# Altium PCB AudioBoxAmpV3-3.PcbDoc (part 1 of 2) (continued)
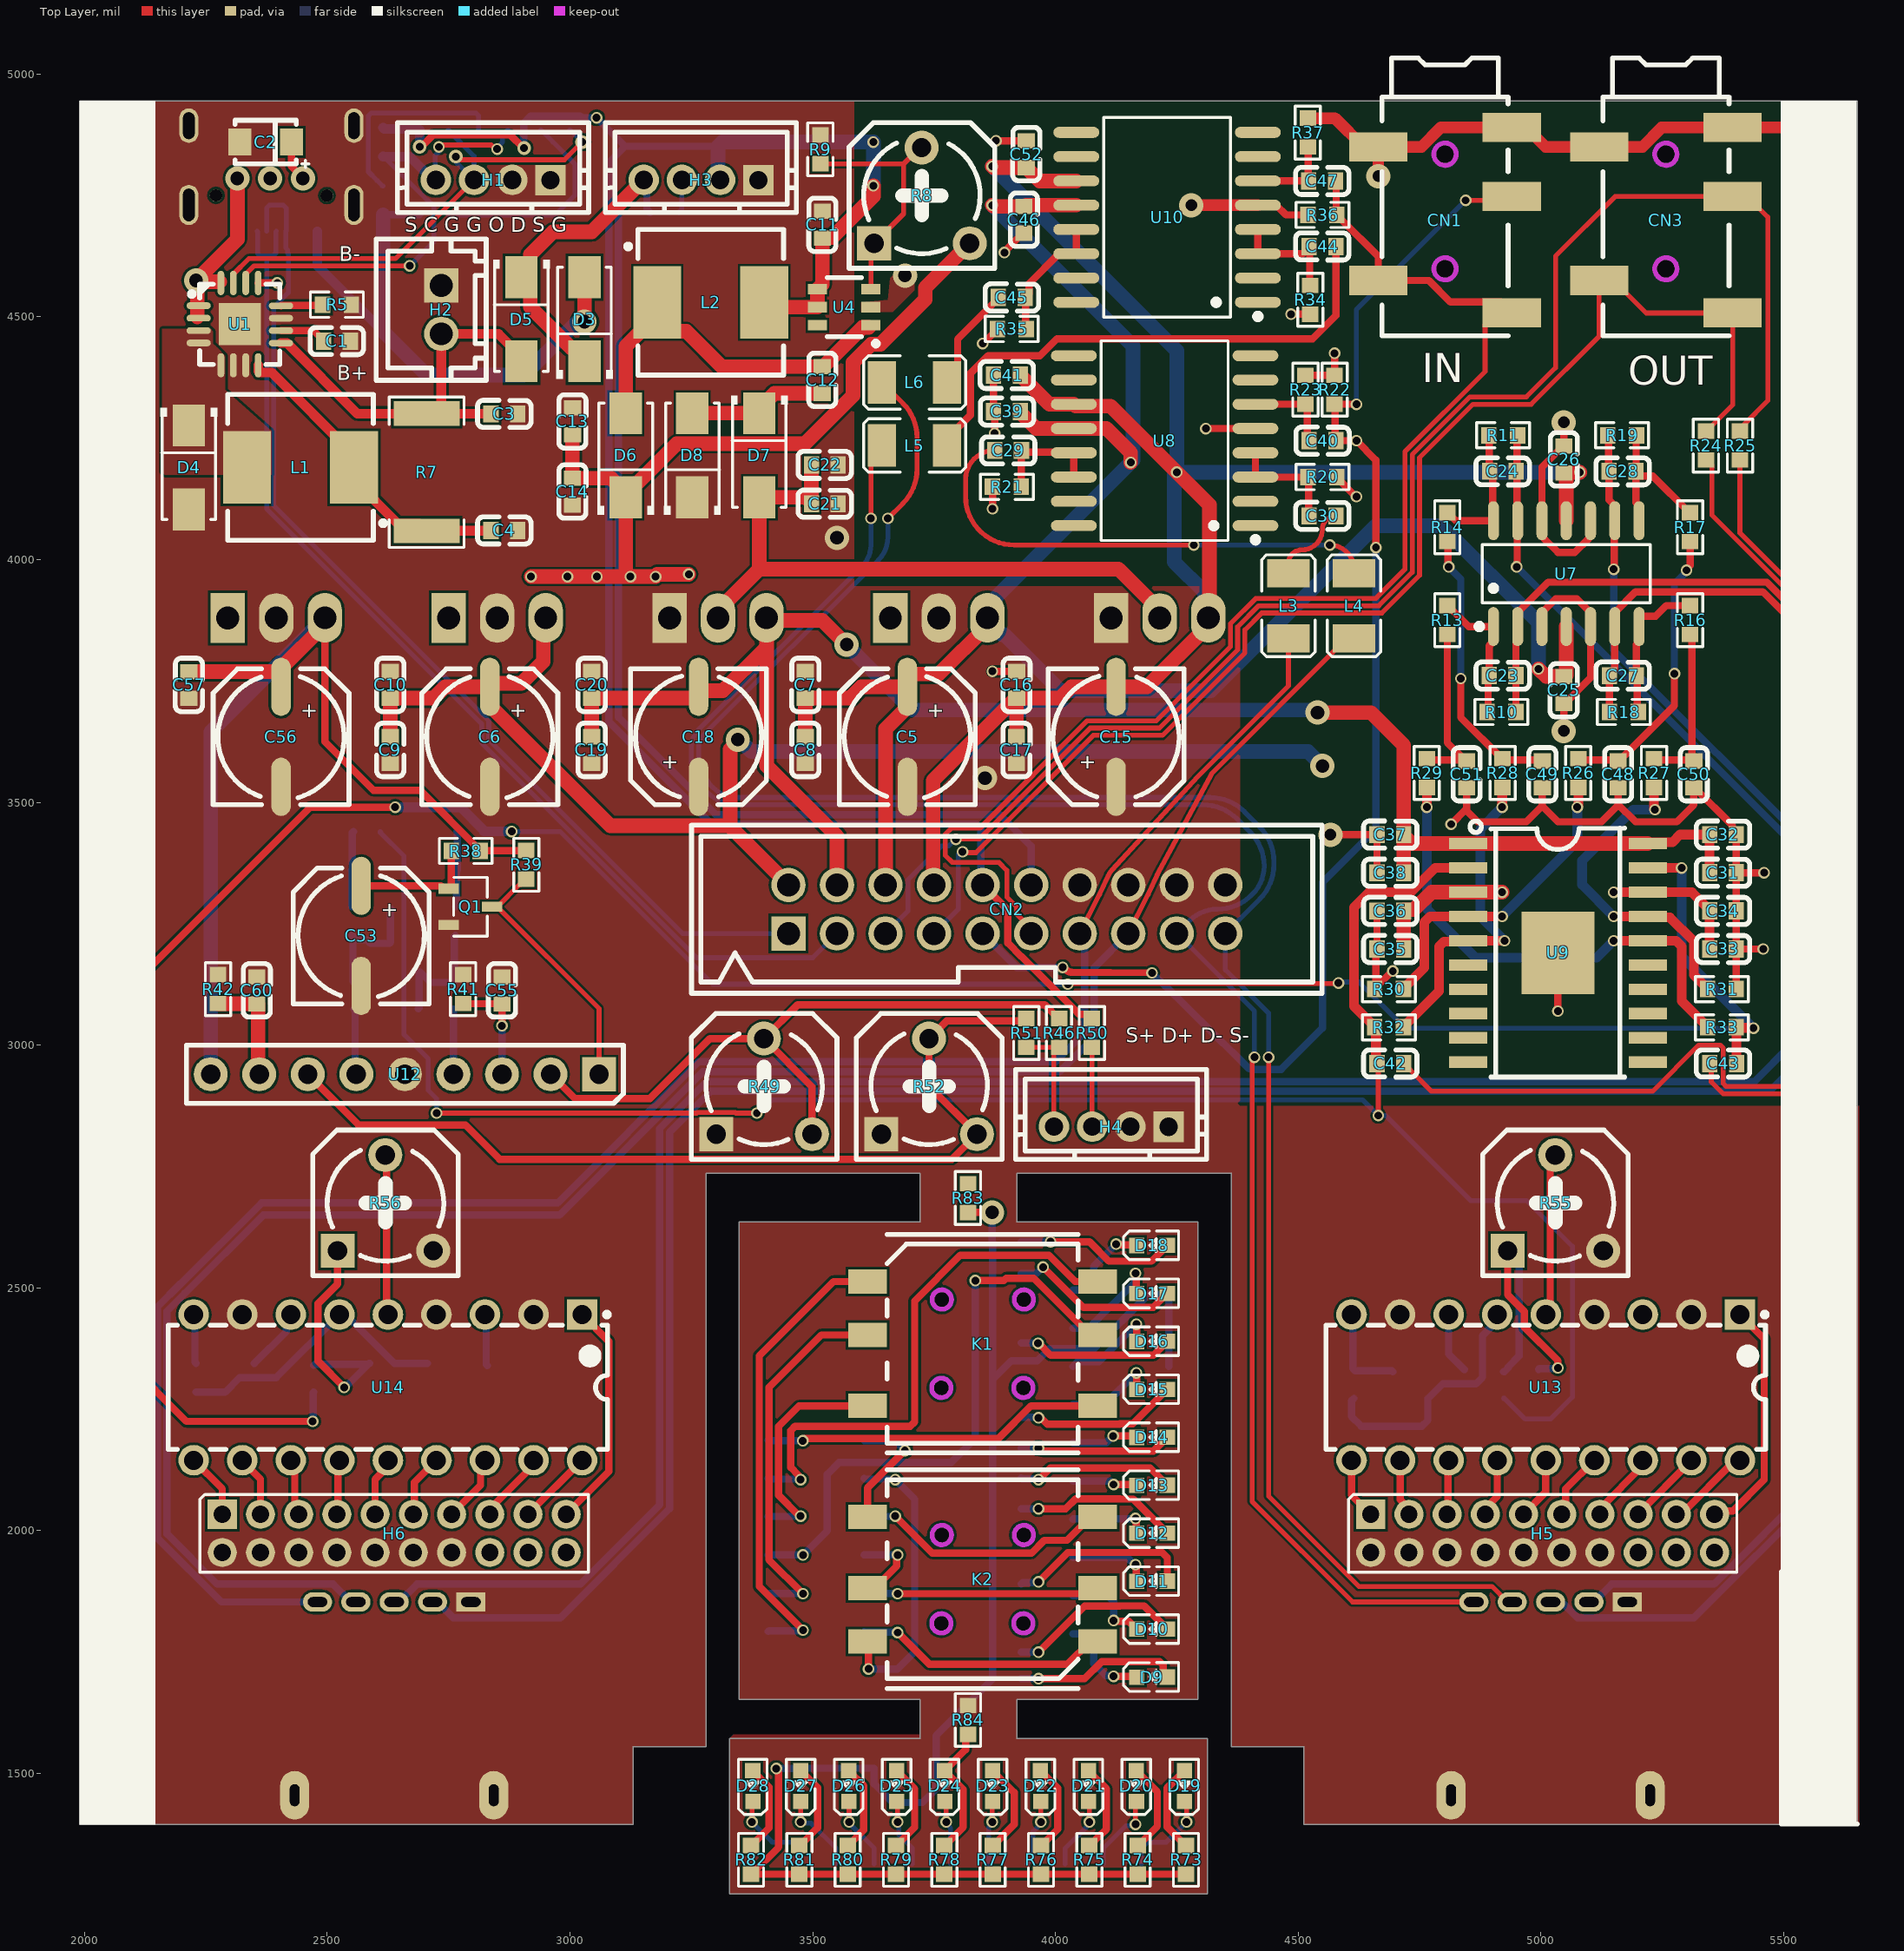
[diagram p0: Top Layer view]
## Components (designator, comment, footprint, x,y, rotation, side; value= is the part's Value field where it differs from the comment) (continued)
R78 "Reg" R0603 3771.22,1322 r270 top locked value=1K
R79 "Reg" R0603 3671.67,1322 r270 top locked value=1K
R80 "Reg" R0603 3572.12,1322 r270 top locked value=1K
R81 "Reg" R0603 3472.56,1322 r270 top locked value=1K
R82 "Reg" R0603 3373.01,1322 r270 top locked value=1K
R83 "Reg" R0603 3820,2685 r270 top value=1K
R84 "Reg" R0603 3820,1610 r270 top value=1K (schematic designator R83)
U1 "TP5000-QFN16" QFN-16_L4.0-W4.0-P0.65-BL-EP2.2 2320,4485 r270 top
U2 "LM78XX" TO-220-3_2.54_HOR 3760,3880 r0 bottom locked
U3 "LM78XX" TO-220-3_2.54_HOR 2850,3880 r0 bottom locked
U4 "SX1308" SOT-23-6 3565,4520 r0 top
U5 "LM79XX" TO-220-3_2.54_HOR 4215,3880 r0 bottom locked
U6 "LM79XX" TO-220-3_2.54_HOR 3305,3880 r0 bottom locked
U7 "OPA4134UA" SOIC-14 5052.23,3971.16 r0 top
U8 "DRV134UA" SOIC-16_9.5mm 4225,4245 r90 top
U9 "TPA6120A2DWP" HSOP-20 5035,3190 r270 top
U10 "DRV134UA" SOIC-16_9.5mm 4230,4705 r90 top
U11 "LM78XX" TO-220-3_2.54_HOR 2395,3880 r0 bottom locked
U12 "BA6138" SIP9-2.54 2660,2940 r180 top
U13 "XD3915" DIP-18 5010,2295 r180 top locked
U14 "XD3915" DIP-18 2625,2295 r180 top locked
USB1 "TYPEC-304-ACP16" USB-C-SMD_TYPE-C-16P 2385,4790 r0 bottom locked

## Footprints (in the part's own frame and the unit in brackets; to place one, negate y for a bottom-side part, rotate by r counter-clockwise, add the part's x,y. Pads: shape width x height; smd on the part's side, far side on the other; paste and mask are expansions set on the pad)
Audio3.5_3Pin [mil] "3.5mm3Pin音频接口"
  rect 60x120 smd: 1(-191,137.5) 2(191,137.5) 3(124,-137.5) 4(-49,137.5) 5(-151,-137.5)
  Keep-Out Layer board cut-out: 77,0 78.75,-8.8 83.74,-16.26 91.2,-21.25 100,-23 100,-23 108.8,-21.25 116.26,-16.26 121.25,-8.8 123,0 123,0 121.25,8.8 116.26,16.26 108.8,21.25 100,23 100,23 91.2,21.25 83.74,16.26 78.75,8.8 77,0
  Keep-Out Layer board cut-out: -136,-23 -144.8,-21.25 -152.26,-16.26 -157.25,-8.8 -159,0 -159,0 -157.25,8.8 -152.26,16.26 -144.8,21.25 -136,23 -136,23 -127.2,21.25 -119.74,16.26 -114.75,8.8 -113,0 -113,0 -114.75,-8.8 -119.74,-16.26 -127.2,-21.25 -136,-23
  Keep-Out Layer circle w10: c100,0 r23
  Keep-Out Layer circle w10: c-136,0 r23
  silkscreen extent -334,-130 238,130, body extent -389,-179 359,175, height 218
C0603 [mm]
  rect 0.8x0.9 smd: 1(-0.7,0) 2(0.7,0)
  silkscreen extent -1.41,-0.71 1.39,0.72, body extent -0.8,-0.41 0.8,0.45, height 0.89
CAP_SMD_6.3mm [mil] "SMD电容,10mm"
  oval 120x40 smd: 1(-103,0) 2(103,0)
  silkscreen extent -140,-140 140,140, body extent -137,-130 139,130, height 154
CP1206 [mm] "1206钽电容"
  rect 1.2x1.4 smd: 1(-1.305,0) 2(1.395,0)
  silkscreen extent -2.22,-1.14 1.65,1.33
DC_20P_2.54 [mm] "牛角座2.54，20P"
  rect 1.8x1.8 hole 1.2: 1(-11.43,-1.27)
  round 1.8 hole 1.2: 2(-11.43,1.27) 3(-8.89,-1.27) 4(-8.89,1.27) 5(-6.35,-1.27) 6(-6.35,1.27) 7(-3.81,-1.27) 8(-3.81,1.27) 9(-1.27,-1.27) 10(-1.27,1.27) 11(1.27,-1.27) 12(1.27,1.27) 13(3.81,-1.27) 14(3.81,1.27) 15(6.35,-1.27) 16(6.35,1.27) 17(8.89,-1.27) 18(8.89,1.27) 19(11.43,-1.27) 20(11.43,1.27)
  silkscreen extent -16.5,-4.4 16.5,4.4
DIP-18 [mm]
  rect 1.6x1.6 hole 1: 1(-10.16,-3.81)
  round 1.6 hole 1: 2(-7.62,-3.81) 3(-5.08,-3.81) 4(-2.54,-3.81) 5(0,-3.81) 6(2.54,-3.81) 7(5.08,-3.81) 8(7.62,-3.81) 9(10.16,-3.81) 10(10.16,3.81) 11(7.62,3.81) 12(5.08,3.81) 13(2.54,3.81) 14(0,3.81) 15(-2.54,3.81) 16(-5.08,3.81) 17(-7.62,3.81) 18(-10.16,3.81)
  silkscreen extent -11.58,-3.93 11.5,3.25, body extent -11,-3.81 11,4.06, height 5
H_2.0_2x10Pin_SMD [mil]
  rect 35x100 smd: 1(-354.15,98.7) 2(-275.45,98.7) 3(-196.75,98.7) 4(-118.05,98.7) 5(-39.35,98.7) 6(39.35,98.7) 7(118.05,98.7) 8(196.75,98.7) 9(275.45,98.7) 10(354.15,98.7) 11(354.15,-98.7) 12(275.45,-98.7) 13(196.75,-98.7) 14(118.05,-98.7) 15(39.35,-98.7) 16(-39.35,-98.7) 17(-118.05,-98.7) 18(-196.75,-98.7) 19(-275.45,-98.7) 20(-354.15,-98.7)
  silkscreen extent -405,-80 400,105
H_2.0_10x2Pin [mil] "2.0双排排针"
  rect 60x60 hole 35: 1(-354.15,39.35)
  round 60 hole 35: 2(-275.45,39.35) 3(-196.75,39.35) 4(-118.05,39.35) 5(-39.35,39.35) 6(39.35,39.35) 7(118.05,39.35) 8(196.75,39.35) 9(275.45,39.35) 10(354.15,39.35) 11(354.15,-39.35) 12(275.45,-39.35) 13(196.75,-39.35) 14(118.05,-39.35) 15(39.35,-39.35) 16(-39.35,-39.35) 17(-118.05,-39.35) 18(-196.75,-39.35) 19(-275.45,-39.35) 20(-354.15,-39.35)
  silkscreen extent -400,-80 400,80
HSOP-20 [mm]
  rect 0.6x2 smd: 1(-5.715,-4.7) 2(-4.445,-4.7) 3(-3.175,-4.7) 4(-1.905,-4.7) 5(-0.635,-4.7) 6(0.635,-4.7) 7(1.905,-4.7) 8(3.175,-4.7) 9(4.445,-4.7) 10(5.715,-4.7) 11(5.715,4.7) 12(4.445,4.7) 13(3.175,4.7) 14(1.905,4.7) 15(0.635,4.7) 16(-0.635,4.7) 17(-1.905,4.7) 18(-3.175,4.7) 19(-4.445,4.7) 20(-5.715,4.7)
  rect 4.32x3.81 smd: 21(0,0)
  silkscreen extent -6.9,-4.6 6.5,3.5
KEY_5 [mil] "五向开关"
  rect 80x50 smd: 1(-237,128) 2(-237,18) 3(-237,-128) 4(237,-128) 5(237,18) 6(237,128)
  Keep-Out Layer board cut-out: 64,-91 65.52,-98.65 69.86,-105.14 76.35,-109.48 84,-111 84,-111 91.65,-109.48 98.14,-105.14 102.48,-98.65 104,-91 104,-91 102.48,-83.35 98.14,-76.86 91.65,-72.52 84,-71 84,-71 76.35,-72.52 69.86,-76.86 65.52,-83.35 64,-91
  Keep-Out Layer board cut-out: -105,-91 -103.48,-98.65 -99.14,-105.14 -92.65,-109.48 -85,-111 -85,-111 -77.35,-109.48 -70.86,-105.14 -66.52,-98.65 -65,-91 -65,-91 -66.52,-83.35 -70.86,-76.86 -77.35,-72.52 -85,-71 -85,-71 -92.65,-72.52 -99.14,-76.86 -103.48,-83.35 -105,-91
  Keep-Out Layer board cut-out: -84,71 -91.65,72.52 -98.14,76.86 -102.48,83.35 -104,91 -104,91 -102.48,98.65 -98.14,105.14 -91.65,109.48 -84,111 -84,111 -76.35,109.48 -69.86,105.14 -65.52,98.65 -64,91 -64,91 -65.52,83.35 -69.86,76.86 -76.35,72.52 -84,71
  Keep-Out Layer board cut-out: 85,71 77.35,72.52 70.86,76.86 66.52,83.35 65,91 65,91 66.52,98.65 70.86,105.14 77.35,109.48 85,111 85,111 92.65,109.48 99.14,105.14 103.48,98.65 105,91 105,91 103.48,83.35 99.14,76.86 92.65,72.52 85,71
  Keep-Out Layer circle w10: c84,-91 r20
  Keep-Out Layer circle w10: c-85,-91 r20
  Keep-Out Layer circle w10: c85,91 r20
  Keep-Out Layer circle w10: c-84,91 r20
  silkscreen extent -197,-225 197,225
L1210 [mm]
  rect 1.474x2.22 smd: 1(-1.703,0) 2(1.703,0)
  silkscreen extent -2.67,-1.4 2.67,1.4
LED0603 [mm]
  rect 0.8x0.8 smd: 1(-0.799,-0.003) 2(0.799,0.004)
  silkscreen extent -1.49,-0.75 1.39,0.76, body extent -0.83,-0.34 0.83,0.38, height 0.68
LED0603_Side [mil]
  rect 32x32 smd: 1(0,30) 2(0,-30)
  silkscreen extent -25,-55 55,55
PH_4Pin [mm]
  rect 1.6x1.6 hole 0.96: 1(3,-0.005)
  round 1.6 hole 0.96: 2(1,0.005) 3(-1,0.005) 4(-3,0.005)
  silkscreen extent -5,-1.7 5,3
QFN-16_L4.0-W4.0-P0.65-BL-EP2.2 [mm] "QFN16"
  oval 0.35x1.27 smd: 1(-0.965,-2.154) 2(-0.315,-2.154) 3(0.335,-2.154) 4(0.986,-2.154) 9(0.991,2.154) 10(0.34,2.154) 11(-0.31,2.154) 12(-0.96,2.154)
  oval 1.27x0.35 smd: 5(2.154,-0.991) 6(2.154,-0.34) 7(2.154,0.31) 8(2.154,0.96) 13(-2.154,0.96) 14(-2.154,0.31) 15(-2.154,-0.34) 16(-2.154,-0.991)
  rect 2.2x2.2 smd: 17(0,0)
  silkscreen extent -2.11,-2.64 2.1,2.1
R0603 [mil]
  rect 31.75x34.02 smd: 1(-29.66,0) 2(29.66,0)
  silkscreen extent -55,-26 55,26, body extent -31,-17 32,17, height 19
R2512 [mil]
  rect 50.49x136.06 smd: 1(-120.72,0) 2(120.72,0)
  silkscreen extent -155,-77 155,77
RES_TAP_5Pin [mil] "双联电位器"
  rect 60x40 hole 20 slot 40 at 0 deg: 1(158,-199)
  oval 60x40 hole 20 slot 40 at 0 deg: 2(79,-199) 3(0,-199) 4(-79,-199) 5(-158,-199)
  oval 60x100 hole 45 slot 20 at 0 deg: 6(-205,199) 6(205,199)
  silkscreen extent -315,-244 315,412
RES_TAP_HOR [mil] "卧式电位器"
  rect 70x70 hole 40: 1(-98.5,-98.5)
  round 70 hole 40: 2(98.5,-98.5) 3(-0.5,98.5)
  silkscreen extent -150,-150 150,150
SIP9-2.54 [mil]
  rect 70x70 hole 40: 1(-400,0)
  round 70 hole 40: 2(-300,0) 3(-200,0) 4(-100,0) 5(0,0) 6(100,0) 7(200,0) 8(300,0) 9(400,0)
  silkscreen extent -450,-60 450,60
SMA_L4.3 [mm] "SMA_DIode"
  rect 2.185x1.7 smd: 1(-2.2,0) 2(2.2,0)
  silkscreen extent -3.11,-1.48 2.73,1.48, body extent -2.6,-1.3 2.6,1.3, height 2.4
SMD_L7.1 [mm]
  rect 2.5x3.8 smd: 1(-2.8,0) 2(2.8,0)
  silkscreen extent -4.44,-3.81 3.81,3.81, body extent -3.65,-3.3 3.65,3.3, height 4.95
SOIC-14 [mil]
  oval 22.6x80.24 smd: 1(-150,-109.02) 2(-100,-109.02) 3(-50,-109.02) 4(0,-109.02) 5(50,-109.02) 6(100,-109.02) 7(150,-109.02) 8(150,109.01) 9(100,109.01) 10(50,109.01) 11(0,109.01) 12(-50,109.01) 13(-100,109.01) 14(-150,109.01)
  silkscreen extent -185,-115 173,60
SOIC-16_9.5mm [mil]
  oval 22.6x94.51 smd: 1(-175,-187.02) 2(-125,-187.02) 3(-75,-187.02) 4(-25,-187.02) 5(25,-187.02) 6(75,-187.02) 7(125,-187.02) 8(175,-187.02) 9(175,187.02) 10(125,187.02) 11(75,187.02) 12(25,187.02) 13(-25,187.02) 14(-75,187.02) 15(-125,187.02) 16(-175,187.02)
  silkscreen extent -210,-193 206,131
SOT-23-3 [mm] "SOT-23-3"
  rect 1.07x0.532 smd: 1(1.135,-0.95) 2(1.135,0.95) 3(-1.135,0)
  silkscreen extent -0.88,-1.54 0.88,1.54, body extent -1.14,-1.46 1.2,1.46, height 1.08
SOT-23-6 [mm]
  rect 1x0.55 smd: 1(1.4,-0.95) 2(1.4,0) 3(1.4,0.95) 4(-1.4,0.95) 5(-1.4,0) 6(-1.4,-0.95)
  silkscreen extent -0.9,-2.03 1.78,1.55, body extent -1.21,-1.4 1.21,1.4, height 1.09
TO-220-3_2.54_HOR [mm]
  rect 1.8x2.6 hole 1.2: 1(-2.54,0.005)
  oval 1.8x2.6 hole 1.2: 2(0,0.005) 3(2.54,-0.005)
  silkscreen extent -5.3,-19.92 5.3,0.07
USB-C-SMD_TYPE-C-16P [mm] "全引脚USB TYPEC母座"
  rect 0.6x2.032 smd: A1B12(-3.2,2.893) A4B9(-2.4,2.893) B1A12(3.2,2.893) B4A9(2.4,2.893)
  rect 0.3x2.032 smd: A5(-1.25,2.893) A6(-0.25,2.893) A7(0.25,2.893) A8(1.25,2.893) B5(1.75,2.893) B6(0.75,2.893) B7(-0.75,2.893) B8(-1.75,2.893)
  oval 1x1.8 hole 0.6 slot 1.4 at 90 deg: EP(-4.32,-2.639) EP(4.32,-2.639)
  oval 1x2.1 hole 0.6 slot 1.7 at 90 deg: EP(-4.32,1.511) EP(4.32,1.511)
  round 0.65 hole 0.65 unplated: ""(-2.9,1.011) ""(2.9,1.021)
  silkscreen extent -4.55,-5.37 4.55,0.36, body extent -4.47,-5.32 4.47,2.58, height 3.13
XH_2Pin [mm]
  rect 1.8x1.8 hole 1.2: 1(1.27,0)
  round 1.8 hole 1.2: 2(-1.27,0)
  silkscreen extent -3.7,-2.35 3.7,3.4

## Part data
C1 C3 C4 C7 C8 C9 C10 C11 C12 C13 C14 C16 C17 C19 C20 C21 C22 C25 C26 C29 C30 C31 C32 C33 C34 C35 C36 C37 C38 C39 C40 C41 C42 C43 C44 C45 C46 C47 C48 C49 C50 C51 C52 C54 C55 C57 C58 C59 C60 C61 C62 C63 C64 C65 C66 C67: "Cap", BOM_Manufacturer="Huaxin S&T", BOM_Manufacturer Part=0603B103K101CT, BOM_Supplier=LCSC, BOM_Supplier Part=C302008, Contributor=LCSC, nameAlias=Capacitance, spicePre=C, spiceSymbolName=0603B103K101CT
C2 C5 C6 C15 C18 C53 C56: "极性电容"
C23 C24 C27 C28: library part CAP, BOM_Manufacturer="Huaxin S&T", BOM_Manufacturer Part=0603B103K101CT, BOM_Supplier=LCSC, BOM_Supplier Part=C302008, Contributor=LCSC, nameAlias=Capacitance, spicePre=C, spiceSymbolName=0603B103K101CT
CN1 CN3: library part AudioCon3, "3.5mm 3Pin 音频接口", BOM_JLCPCB Part Class="Extended Part", BOM_Manufacturer=G-Switch(品赞), BOM_Manufacturer Part=PJ-393, BOM_Supplier=LCSC, BOM_Supplier Part=C2837065, Contributor=LCSC, spicePre=C, spiceSymbolName=PJ-393_C2837065
CN2: library part DC-20P, "DC牛角座，20P", BOM_JLCPCB Part Class="Extended Part", BOM_Manufacturer="Shenzhen Cankemeng", BOM_Manufacturer Part=-, BOM_Supplier=LCSC, BOM_Supplier Part=C132442, Contributor=LCSC, spicePre=C, spiceSymbolName=300S-20P
D1 D2 D9 D10 D11 D12 D13 D14 D15 D16 D17 D18 D19 D20 D21 D22 D23 D24 D25 D26 D27 D28: library part LED0, LatestRevisionDate=08-Jul-2005, LatestRevisionNote="Mech Layer 1 removed.", PackageDescription="LED; 2 Leads", PackageReference=LED-0, Published=8-Jun-2000, Publisher="Altium Limited"
D3 D4 D5 D6 D7 D8: "Schottky Rectifier", ComponentLink1Description="Manufacturer Link", ComponentLink1URL=http://www.irf.com/, ComponentLink2Description=Datasheet, ComponentLink2URL=http://www.irf.com/product-info/datasheets/data/10tq.pdf, DatasheetVersion=PD-2.057B, LatestRevisionDate=17-Jul-2002, LatestRevisionNote="Re-released for DXP Platform.", Note="Terminal 2 is the TAB and is electrically connected to the cathode", PackageDescription="TO, Thru-Hole, Vertical, Heatsink Mounted; 3 In-Line Leads (1 Absent); Pitch 2.54 mm", PackageReference=TO-220AC, PackageVersion=Feb-1998, Published=8-Jun-2000, Publisher="Altium Limited"
H1 H3 H4: "4Pin排针"
H2: "2Pin排针"
H5 H6 H7 H8 H9: "2*10P连接器"
K1 K2: "五向开关"
L1 L2 L3 L4 L5 L6: library part IND, "电感", BOM_JLCPCB Part Class="Extended Part", BOM_Manufacturer="Sunltech Tech", BOM_Manufacturer Part=SLO0630H150MTT, BOM_Supplier=LCSC, BOM_Supplier Part=C182182, Contributor=LCSC, nameAlias=Inductance, spicePre=L, spiceSymbolName=SLO0630H150MTT
Q1: "NPN", BOM_Manufacturer=AnBon, BOM_Manufacturer Part=SS8050, BOM_Paste Type=recommend, BOM_Supplier=LCSC, BOM_Supplier Part=C541705, Contributor=LCSC, spicePre=Q, spiceSymbolName=SS8050_C541705
R1 R2 R3 R4 R5 R6 R7 R9 R10 R11 R13 R14 R16 R17 R18 R19 R20 R21 R22 R23 R24 R25 R26 R27 R28 R29 R30 R31 R32 R33 R34 R35 R36 R37 R38 R39 R40 R41 R42 R43 R44 R45 R46 R47 R48 R50 R51 R53 R54 R57 R58 R59 R60 R61 R62 R63 R64 R65 R66 R67 R68 R69 R70 R71 R72 R73 R74 R75 R76 R77 R78 R79 R80 R81 R82 R83 R84: library part Res, "电阻", BOM_Manufacturer="Viking Tech", BOM_Manufacturer Part=AR03BTCX1002A, BOM_Supplier=LCSC, BOM_Supplier Part=C465721, Contributor=LCSC, nameAlias="Resistance (Ohms)", spicePre=R, spiceSymbolName=AR03BTCX1002A
R8 R49 R52 R55 R56: "可调电阻", LatestRevisionDate=17-Jul-2002, LatestRevisionNote="Re-released for DXP Platform.", PackageDescription="Variable Resistor, Thru-Hole; 3 Leads", PackageReference=VR3, Published=24-Mar-1999, Publisher="Altium Limited", Set Position=0.5, Sim Note="Enter the Resistance value and the set point into parameter fields."
R12 R15: "双联电位器"
U1: BOM_JLCPCB Part Class="Extended Part", BOM_Manufacturer=TOPPOWER, BOM_Manufacturer Part=TP5000-QFN16, BOM_Supplier=LCSC, BOM_Supplier Part=C51699, spicePre=U, spiceSymbolName=TP5000-QFN16
U2 U3 U11: "三端稳压(正电压)", BOM_JLCPCB Part Class="Extended Part", BOM_Manufacturer=HGSEMI(华冠), BOM_Manufacturer Part=LM7812T, BOM_Supplier=LCSC, BOM_Supplier Part=C2902509, Contributor=LCSC, spicePre=U, spiceSymbolName=LM7812T
U4: "升压PWM", BOM_JLCPCB Part Class="Extended Part", BOM_Manufacturer=SX, BOM_Manufacturer Part=SX1308, BOM_Supplier=LCSC, BOM_Supplier Part=C78162, sourceId=g4Yg9rJ1j, spicePre=U, spiceSymbolName=SX1308, timeStamp=1472247539
U5 U6: "三端稳压(负电压)", BOM_JLCPCB Part Class="Extended Part", BOM_Manufacturer=HGSEMI(华冠), BOM_Manufacturer Part=LM7812T, BOM_Supplier=LCSC, BOM_Supplier Part=C2902509, Contributor=LCSC, spicePre=U, spiceSymbolName=LM7812T
U7: "耳放", BOM_JLCPCB Part Class="Extended Part", BOM_Manufacturer=TI(德州仪器), BOM_Manufacturer Part=OPA4134UA, BOM_Supplier=LCSC, BOM_Supplier Part=C2832240, Contributor=LCSC, spicePre=U, spiceSymbolName=OPA4134UA
U8 U10: "音频差分放大器", BOM_JLCPCB Part Class="Extended Part", BOM_Manufacturer=TI(德州仪器), BOM_Manufacturer Part=DRV134UA, BOM_Supplier=LCSC, BOM_Supplier Part=C1519988, Contributor=LCSC, spicePre=U, spiceSymbolName=DRV134UA
U9: library part TPA6120, "耳放", BOM_Manufacturer=TI(德州仪器), BOM_Manufacturer Part=TPA6120A2DWP, BOM_Supplier=LCSC, BOM_Supplier Part=C2871054, Contributor=LCSC, link=https://atta.szlcsc.comnull, spicePre=U, spiceSymbolName=TPA6120A2DWP
U12: "对数放大器"
U13 U14: library part LM3915, "电平指示", BOM_JLCPCB Part Class="Extended Part", BOM_Manufacturer=XINLUDA(信路达), Frequency=-, BOM_Manufacturer Part=XD3915, BOM_Supplier=LCSC, BOM_Supplier Part=C609778, Contributor=LCSC, spicePre=U, spiceSymbolName=XD3915
USB1: library part USB_TYPEC_12P, "全引脚USB TYPEC母座", BOM_JLCPCB Part Class="Extended Part", BOM_Manufacturer=XUNPU(讯普), BOM_Manufacturer Part=TYPEC-304-ACP16, BOM_Supplier=LCSC, BOM_Supplier Part=C2982555, Contributor=LCSC, spicePre=U, spiceSymbolName=TYPEC-304-ACP16

## Via types
v1: diameter 24, hole 16, Top Layer to Bottom Layer, tented both sides, 124 vias
v2: diameter 50, hole 28, Top Layer to Bottom Layer, tented both sides, 12 vias
v3: diameter 50, hole 24, Top Layer to Bottom Layer, tented both sides, 6 vias
v4: diameter 28, hole 16, Top Layer to Bottom Layer, tented both sides, 4 vias
v5: diameter 50, hole 28, Top Layer to Bottom Layer, 1 vias

## Nets (pads, with @x,y where several pads share a name; then routed paths per layer and width w, separated by ;. In a path a pad name is that pad's centre, name@x,y a point inside that pad or via, vN(x,y) a via of type N, cw(c..) or ccw(c..) an arc to the next point about the centre after c; other vN are vias at no path point)
A_LF+: C48.1 R17.1 R26.1 | length 598.5
  Top Layer w15: R26.1@5077.03,3590.01 5079.48,3587.56 5156.53,3587.56 C48.1@5158.98,3585.11 5160.95,3585.11 5275,3699.16 v1(5275,3765) ; v1(5300,3978.09) 5300,3980.52 5307.23,3987.75 R17.1@5307.23,4037.11
  Bottom Layer w15: v1(5275,3765) 5275,3950 5300,3975 v1(5300,3978.09)
A_LF-: C49.1 R14.2 R28.1 | length 578.9
  Top Layer w15: R14.2@4807.23,4037.11 4808.61,4035.72 4808.61,3986.39 v1(4810,3985) ; v1(4835,3755) 4835,3674.9 4919.88,3590.01 R28.1@4921.02,3590.01 4923.47,3587.56 5000.52,3587.56 C49.1@5002.97,3585.11
  Bottom Layer w15: v1(4810,3985) 4835,3960 v1(4835,3755)
A_LIN: C47.1 CN1.2 CN1.3 CN2.11 R36.2 | length 2716.2
  Top Layer w10: CN2.11@3950,3230 3950,3240.46 3919.57,3270.89 3919.57,3285.43 3900,3305 3900,3360 3883.74,3376.26 3787.6,3376.26 3773,3390.86 3773,3434.11 3785.89,3447 3844.57,3447 4065.57,3668 4208,3668 4360.43,3820.43 4360.43,3867.86 4412.57,3920 4660,3920 4720,3980 4720,4222.43 4885,4387.43 4885,4483 4910,4508 CN1.2@4940,4508
  Top Layer w15: C47.1@4576.94,4780 4578.3,4778.65 4578.3,4710.22 4588.03,4700.49 4589.16,4700.49 4665,4624.65 CN1.3@4665,4575 4769.22,4575 4813.72,4530.5 4917.5,4530.5 CN1.2@4940,4508
A_LIN0+: C28.2 R15.3 R19.2 U7.9 | length 3043.4
  Top Layer w15: R19.2@5137.57,4256.16 5139.09,4254.64 5139.09,4183.57 C28.2@5140.62,4182.05 5140.62,4122.66 5152.23,4111.05 U7.9@5152.23,4080.17 5151.11,4079.06 5151.11,3981.11 v1(5150,3980)
  Bottom Layer w15: R15.3@5020,1853 5024.78,1848.22 5047.82,1848.22 5075.54,1820.5 5315.5,1820.5 5575,2080 5585,2090 5585,3378.28 5575,3388.28 5150,3813.28 v1(5150,3980)
A_LIN0-: C24.2 R11.2 R15.2 U7.13 | length 2983.5
  Top Layer w15: v1(4950,3985) 4951.11,3986.11 4951.11,4079.06 U7.13@4952.23,4080.17 4950.78,4081.63 4950.78,4180.25 C24.2@4949.19,4181.83 4950.54,4183.18 4950.54,4254.81 R11.2@4951.88,4256.16
  Bottom Layer w15: v1(4950,3985) 5565,3370 5565,2098.28 5356.72,1890 5146,1890 5109,1853 R15.2@5099,1853
A_LIN+: CN2.19 L6.1 R15.4 | length 4250.5
  Top Layer w10: L6.1@3642.95,4365 3685.71,4322.24 cw(c3615,4251.53) 3715,4251.53 3715,4186.42 cw(c3615,4186.42) 3685.71,4115.71 v1(3655,4085) ; v1(4439,2975) 4439,2071 4625,1885 4899,1885 4931,1853 R15.4@4941,1853
  Bottom Layer w10: v1(3655,4085) 3655,4046.21 cw(c3588.79,4046.21) 3635.61,3999.39 3275.61,3639.39 ccw(c3301.21,3613.79) 3265,3613.79 3265,3601.42 ccw(c3365,3601.42) 3294.29,3530.71 ccw(c3344.29,3580.71) 3344.29,3510 4318.58,3510 cw(c4318.58,3410) 4389.29,3480.71 4420.71,3449.29 cw(c4350,3378.58) 4450,3378.58 4450,3371.42 cw(c4350,3371.42) 4420.71,3300.71 CN2.19@4350,3230 4350,3155 4439,3066 v1(4439,2975)
A_LIN-: CN2.17 L5.2 R15.5 | length 4130.8
  Top Layer w10: v1(3620,4085) 3620,4212.05 L5.2@3642.95,4235 ; v1(4410,2975) 4405,2970 4405,2060 4612,1853 R15.5@4862,1853
  Bottom Layer w10: 3338.75,3495.01 ccw(c3336.19,3485.34) 3337.03,3495.31 cw(c3344.29,3580.71) 3289.7,3514.63 cw(c3344.29,3580.71) 3283.64,3520.15 cw(c3365,3601.42) 3274.92,3529.94 cw(c3365,3601.42) 3274.67,3530.25 ccw(c3266.81,3524.07) 3274,3531.02 cw(c3335.36,3590.36) 3250,3590.36 3250,3613.79 cw(c3301.21,3613.79) 3264.99,3649.99 3602.5,3987.5 ccw(c3560.25,4029.75) 3620,4029.75 v1(3620,4085) ; 3338.79,3495 4303.58,3495 cw(c4303.58,3395) 4374.29,3465.71 4400.71,3439.29 cw(c4330,3368.58) 4430,3368.58 cw(c4348.93,3368.58) 4406.26,3311.26 4404.29,3309.29 cw(c4333.58,3380) 4333.58,3280 ccw(c4333.58,3198.93) 4276.26,3256.26 CN2.17@4250,3230 4410,3070 v1(4410,2975)
A_LOUT: CN2.7 CN3.2 CN3.3 R24.1 | length 2801.2
  Top Layer w10: v1(3808.62,3398.26) 3810.43,3396.45 3836.45,3396.45 4078,3638 4220.43,3638 4390.43,3808.01 4390.43,3855.43 4425,3890 4657.24,3890 4672.43,3890 4750,3967.57 4750,3982.76 4750,4210 4860,4320 4980,4320 5120,4460 CN3.3@5120,4575 5150,4575 5217,4508 CN3.2@5395,4508 5395,4318.52 5341.13,4264.65 R24.1@5340,4264.65
  Bottom Layer w10: CN2.7@3750,3230 3800,3280 3800,3392.4 3805.86,3398.26 v1(3808.62,3398.26)
A_LOUT0: C42.1 C59.1 C64.1 R32.1 U9.2 | length 4312.7
  Top Layer w10: v1(2725.26,2860) 3260.86,2860 3262.36,2861.5 3340.64,2861.5 3342.14,2860 v1(3385,2860) ; C42.1@4662.44,2962.05 4665,2959.49 v1(4665,2855)
  Top Layer w20: C42.1@4662.44,2962.05 4659.99,2964.5 4659.99,3034.22 R32.1@4657.54,3036.67 4657.54,3037.81 4615,3080.35 4615,3283.57 4646.43,3315 4732.32,3315 4782.32,3365 U9.2@4849.96,3365
  Bottom Layer w10: C59.1@2609.11,3438.03 2658.19,3388.95 2658.19,3021.81 2708.44,2971.56 2708.44,2906.56 2725.26,2889.74 v1(2725.26,2860) ; C59.1@2609.11,3440 C59.1@2610.7,3438.41 ; v1(3385,2860) 3388.79,2860 3416.29,2887.5 4632.5,2887.5 v1(4665,2855) 4680,2855 4855,2680 4970.64,2680 4976.5,2674.14 5065,2585.64 5065,2275 5020,2230 4967.36,2230 4924.91,2272.45 C64.1@4922.95,2272.45
A_RF+: C50.1 R16.1 R27.1 | length 344.5
  Top Layer w15: R27.1@5233.05,3590.01 5235.5,3587.56 C50.1@5312.55,3587.56 ; R16.1@5307.23,3845.9 5311.11,3842.01 5311.11,3589 C50.1@5312.55,3587.56 ; C50.1@5315,3585.11 C50.1@5312.55,3587.56
A_RF-: C51.1 R13.2 R29.1 | length 356.9
  Top Layer w15: R29.1@4765,3590.01 4767.45,3587.56 C51.1@4842.53,3587.56 ; R13.2@4807.23,3845.9 4807.23,3622.87 C51.1@4842.53,3587.56 ; C51.1@4846.95,3585.11 4844.5,3587.56 C51.1@4842.53,3587.56
A_RIN: C40.1 CN1.4 CN2.9 R22.2 | length 2896.2
  Top Layer w10: v1(4845,4740) 4932,4740 CN1.4@4940,4748
  Top Layer w15: v1(4015,3160) 4017.44,3160 4023.04,3154.39 ccw(c4033.65,3165) 4033.54,3150 v1(4198.93,3148.75) ; R22.2@4575,4320.35 R22.2@4575.17,4320.17 ; v1(4620,4320) 4619.83,4320.17 R22.2@4575.17,4320.17 ; v1(4660.13,4024.87) 4660,4025 4660,4205 v1(4620,4245) C40.1@4577.56,4245 4576.28,4246.28 4576.28,4319.07 R22.2@4575.17,4320.17
  Bottom Layer w10: v1(4620,4320) 4620,4515 v1(4845,4740)
  Bottom Layer w15: CN2.9@3850,3230 3920,3160 v1(4015,3160) ; v1(4198.93,3148.75) 4395.67,2954.33 ccw(c4406.21,2965) 4406.21,2950 4465,2950 4550,3035 4550,3335 4660,3445 4660,4024.75 v1(4660.13,4024.87)
A_RIN0+: C27.1 R12.3 R18.1 U7.6 | length 5312.3
  Top Layer w15: R18.1@5141.32,3686.16 R18.1@5141.32,3686.16 5141.27,3760.9 C27.1@5141.23,3760.95 5141.23,3762.91 5152.23,3773.92 U7.6@5152.23,3862.14 5152.23,3890.96 5194.85,3933.59 5457.17,3933.59 5535,3855.75 5535,3020 v1(5515,3000)
  Bottom Layer w15: R12.3@2638,1853 2648,1853 2685,1890 3021.72,1890 3185,2053.28 3185,2828.43 3281.57,2925 5440,2925 v1(5515,3000)
A_RIN0-: C23.1 R10.1 R12.2 U7.2 | length 5536.5
  Top Layer w15: R10.1@4948.49,3686.16 R10.1@4948.49,3686.16 4948.54,3761.11 C23.1@4948.58,3761.16 4948.58,3827.62 4952.23,3831.27 U7.2@4952.23,3862.14 4954.71,3864.62 4954.71,3893.44 5014.85,3953.59 5465.45,3953.59 5555,3864.04 5555,2989.44 5533,2967.44 5532.94,2967.44 v1(5530.5,2965)
  Bottom Layer w15: R12.2@2717,1853 2727,1853 2759.5,1820.5 2980.5,1820.5 3205,2045 3205,2820.15 3289.85,2905 5470.5,2905 v1(5530.5,2965)
A_RIN+: CN2.15 L4.2 R12.4 | length 4072.3
  Top Layer w10: CN2.15@4150,3230 4190.45,3309.32 ccw(c4150,3330) 4191.3,3311.07 4208.72,3348.97 cw(c4250,3330) 4210.01,3351.56 4322.36,3560 4600.31,3837.95 L4.2@4615,3837.95
  Bottom Layer w15: R12.4@2559,1853 2549,1853 2512,1890 2273.28,1890 2170,1993.28 2170,2452.22 2206.78,2489 2207.28,2489 2368.28,2650 2978.28,2650 3273.28,2945 4008.28,2945 4080,3016.72 4080,3160 CN2.15@4150,3230
A_RIN-: CN2.13 L3.2 R12.5 | length 3983.4
  Top Layer w10: CN2.13@4050,3230 4090.45,3309.32 ccw(c4050,3330) 4091.3,3311.07 4108.72,3348.97 cw(c4150,3330) 4116.55,3360.75 4293.17,3553.17 4480,3740 L3.2@4480,3837.95
  Bottom Layer w15: R12.5@2480,1853 2282,1853 2150,1985 2150,2460.5 2198.49,2509 2199,2509 2365,2675 2975,2675 3266,2966 4001,2966 4060,3025 4060,3220 CN2.13@4050,3230
A_ROUT: CN2.5 CN3.4 R25.2 | length 3271.4
  Top Layer w10: v1(3795,3423.86) 3796.14,3425 3843.79,3425 4071.79,3653 4214.21,3653 4375.43,3814.22 4375.43,3861.65 4418.79,3905 4651.02,3905 4666.21,3905 4735,3973.79 4735,3988.98 4735,4216.21 4853.79,4335 4970,4335 5030,4395 5030,4625 5153,4748 CN3.4@5395,4748 5425,4748 5467.5,4705.5 5467.5,4327.5 5419.51,4279.51 5419.51,4273.03 5411.13,4264.65 R25.2@5410,4264.65
  Bottom Layer w10: CN2.5@3650,3230 3696.41,3276.41 3696.41,3340.67 3765.75,3410 3780,3410 3793.86,3423.86 v1(3795,3423.86)
A_ROUT0: C43.2 C54.1 C65.1 R33.1 U9.19 | length 5533.6
  Top Layer w10: v1(4025.5,3125.5) 4026.75,3126.75 4581.75,3126.75 v1(4583,3128)
  Top Layer w15: v1(2470,2225) 2210,2225 2085,2350 2085,3110 2465,3490 v1(2640,3490)
  Top Layer w20: U9.19@5220.04,3365 v1(5290,3365) ; R33.1@5402.46,3036.67 R33.1@5402.81,3036.32 ; C43.2@5403.16,2962.05 5402.81,2962.4 R33.1@5402.81,3036.32 ; v1(5438,3035) 5437.23,3035.77 5403.37,3035.77 R33.1@5402.81,3036.32
  Bottom Layer w10: v1(2880,3440) 2979.54,3440 3294.04,3125.5 v1(4025.5,3125.5) ; v1(4583,3128) 4585,3130 4625,3130 4720,3035 v1(5438,3035)
  Bottom Layer w15: v1(2470,2225) 2471.14,2226.14 2471.14,2284.11 C65.1@2472.28,2285.25
  Bottom Layer w20: v1(2640,3490) 2774.52,3490 2822.55,3441.97 C54.1@2822.55,3440 v1(2880,3440) ; v1(5290,3365) 5290,3183 v1(5438,3035)
A_VLB12V+: C6.1 C9.1 C10.1 C33.2 C34.2 C35.2 C36.2 CN2.2 U3.3 U9.3 U9.18 | length 3328.4
  Top Layer w20: v1(5150,3315) U9.18@5220.04,3315 5310.97,3315 5347.44,3278.52 C34.2@5347.44,3276.55 C33.2@5347.44,3197.98
  Top Layer w30: C9.1@2629.79,3635.28 2629.89,3635.39 2629.89,3714.61 C10.1@2630,3714.72 2719.53,3714.72 2742.81,3738 C6.1@2835,3738 ; U3.3@2950,3880.2 2945,3875.2 2945,3790 2900,3745 2839.62,3745 2835,3740.38 C6.1@2835,3738 ; v2(3345.66,3629.34) 3345.66,3625.25 3330,3609.59 3330,3454 3328,3452 ; CN2.2@3450,3330 3328,3452 ; C35.2@4717.56,3197.76 4717.56,3278.31 4718.3,3279.05 4738.8,3279.05 4774.75,3315 v1(4920,3315) ; C6.1@2835,3738 2835,3700 3083,3452 3328,3452
  Bottom Layer w30: v2(3345.66,3629.34) 3348.89,3629.34 3373.23,3605 4520,3605 v2(4550,3575)
A_VLB12V-: C18.2 C19.1 C20.1 C31.2 C32.2 C37.2 C38.2 CN2.4 U6.3 U9.1 U9.20 | length 3488.1
  Top Layer w20: U9.20@5220.04,3415 5223.23,3418.19 5271.19,3418.19 5286.7,3433.7 C32.2@5347.44,3433.7 C31.2@5347.44,3355.12
  Top Layer w30: C19.1@3044.79,3635.28 3044.89,3635.39 3044.89,3714.61 C20.1@3045,3714.72 3260.38,3714.72 C18.2@3265,3719.34 ; C18.2@3265,3738 3269.62,3733.38 3269.62,3730 3315,3730 3400.35,3815.35 ; U6.3@3405,3870.9 3405,3575 3550,3430 CN2.4@3550,3330 ; U6.3@3405,3880.2 3405,3875.51 3405.51,3875 3520,3875 v2(3570,3825) ; v2(4540,3685) 4650,3685 4717.56,3617.45 C37.2@4717.56,3433.48 C37.2@4717.56,3431.51 ; C38.2@4717.56,3354.91 C37.2@4717.56,3431.51 ; U9.20@5220.04,3415 U9.1@4849.96,3415 4734.07,3415 C37.2@4717.56,3431.51
  Bottom Layer w30: v2(3570,3825) 3705,3690 4535,3690 v2(4540,3685)
FP_12V: H7.18 H7.19 H7.20 H9.18 H9.19 H9.20 R63.2 R64.2 R65.2 R66.2 R67.2 R68.2 R69.2 R70.2 R71.2 R72.2 R73.2 R74.2 R75.2 R76.2 R77.2 R78.2 R79.2 R80.2 R81.2 R82.2 R83.2 | length 3410.9
  Top Layer w15: R82.2@3373.01,1292.35 R82.2@3374.14,1292.35 ; v1(3425,1510) 3425,1507.56 3430,1502.56 3430,1348.2 R82.2@3374.14,1292.35 ; R83.2@3820,2655.34 v5(3869.66,2655.34) ; R73.2@4268.99,1292.35 R74.2@4169.44,1292.35 R75.2@4069.88,1292.35 R76.2@3970.33,1292.35 R77.2@3870.78,1292.35 R78.2@3771.22,1292.35 R79.2@3671.67,1292.35 R80.2@3572.12,1292.35 R81.2@3472.56,1292.35 R82.2@3374.14,1292.35
  Bottom Layer w15: v1(3425,1510) 3468.65,1510 H9.20@3469.35,1510.7 H9.19@3548.05,1510.7 H9.18@3626.75,1510.7 3626.75,1478.2 3664.95,1440 3726.21,1440 3754.15,1467.94 3754.15,1577.67 3870.34,1693.87 R63.2@3870.34,1695 R64.2@3870.34,1750 R65.2@3870.34,1890 R66.2@3870.34,2045 R67.2@3870.34,2108.22 R68.2@3870.34,2170 R69.2@3870.34,2235 3870.34,2310.94 ; v5(3869.66,2655.34) 3870,2655 3870,2595.34 R72.2@3870.34,2595 R71.2@3870.34,2530 R70.2@3870.34,2386.88 3870.34,2310.94 ; H7.18@4233.7,2338.25 H7.19@4233.7,2416.95 H7.20@4233.7,2495.65 4223.7,2485.65 4190.65,2485.65 4080,2375 3987.87,2375 3962.87,2350 3909.4,2350 3870.34,2310.94
FP_BLE_KB: H8.15 K1.4 | length 708.6
  Top Layer w15: v1(3479.5,2185) 3484.5,2190 3883.03,2190 3950.03,2257 K1.4@4087,2257
  Bottom Layer w15: H8.15@3408.6,2185.85 3409.03,2185.43 3479.07,2185.43 v1(3479.5,2185)
FP_BLE_KC: H8.17 K1.3 | length 472.5
  Top Layer w15: v1(3475,2030) 3472.56,2030 3430,2072.56 3430,2215 3472,2257 K1.3@3613,2257
  Bottom Layer w15: H8.17@3408.6,2028.45 3409.38,2029.22 3474.22,2029.22 v1(3475,2030)
FP_BLE_KIN: H8.20 K1.1 | length 961.2
  Top Layer w15: v1(3480,1795) 3390,1885 3390,2360 3543,2513 K1.1@3613,2513
  Bottom Layer w15: H8.20@3408.6,1792.35 3409.93,1793.67 3478.68,1793.67 v1(3480,1795)
FP_BLE_KL: H8.19 K1.2 | length 773.6
  Top Layer w15: v1(3480,1870) 3410,1940 3410,2295 3518,2403 K1.2@3613,2403
  Bottom Layer w15: H8.19@3408.6,1871.05 3409.12,1870.53 3479.47,1870.53 v1(3480,1870)
FP_BLE_KR: H8.18 K1.5 | length 1221.6
  Top Layer w15: v1(3835,2515) 3893.72,2515 3898.72,2520 3955,2520 4072,2403 K1.5@4087,2403
  Bottom Layer w15: H8.18@3408.6,1949.75 3408.72,1949.88 3479.88,1949.88 v1(3480,1950) 3530,2000 3530,2116.33 3554.17,2140.5 3785.5,2140.5 3835,2190 v1(3835,2515)
FP_BLE_KT: H8.16 K1.6 | length 1126.9
  Top Layer w15: v1(3475,2105) 3475,2107.44 3470.5,2111.94 3470.5,2114.5 3455,2130 3455,2206.21 3463.79,2215 3701.21,2215 3710,2223.79 3710,2473.03 3804.31,2567.35 3986.44,2567.35 4040.78,2513 K1.6@4087,2513
  Bottom Layer w15: H8.16@3408.6,2107.15 3409.68,2106.07 3473.93,2106.07 v1(3475,2105)
FP_USB_KB: H8.6 K2.4 | length 261.5
  Top Layer w15: K2.4@3613,2028 3613,2088 v1(3690,2165)
  Bottom Layer w15: H8.6@3606,2185.85 3606.43,2185.43 3669.57,2185.43 v1(3690,2165)
FP_USB_KC: H8.4 K2.3 | length 544.2
  Top Layer w15: v1(3670,2030) 3746.5,1953.5 3950.53,1953.5 3977.03,1980 4024,1980 4072,2028 K2.3@4087,2028
  Bottom Layer w15: H8.4@3606,2028.45 3606.78,2029.22 3669.22,2029.22 v1(3670,2030)
FP_USB_KIN: H8.1 K2.1 | length 528.4
  Top Layer w15: v1(3675,1790) 3740,1725 4025,1725 4072,1772 K2.1@4087,1772
  Bottom Layer w15: H8.1@3606,1792.35 3607.18,1791.17 3673.82,1791.17 v1(3675,1790)
FP_USB_KL: H8.2 K2.2 | length 486.4
  Top Layer w15: v1(3675,1870) 4075,1870 K2.2@4087,1882
  Bottom Layer w15: H8.2@3606,1871.05 3606.53,1870.53 3674.47,1870.53 v1(3675,1870)
FP_USB_KR: H8.3 K2.5 | length 171.6
  Top Layer w15: K2.5@3613,1882 3628,1882 3673.28,1927.28 3673.28,1948.28 v1(3675,1950)
  Bottom Layer w15: H8.3@3606,1949.75 3606.12,1949.88 3674.88,1949.88 v1(3675,1950)
FP_USB_KT: H8.5 K2.6 | length 603.8
  Top Layer w15: K2.6@3613,1772 3615,1770 v1(3615,1715)
  Bottom Layer w15: H8.5@3606,2107.15 3607.07,2106.07 3668.93,2106.07 v1(3670,2105) 3710,2065 3710,1750 3675,1715 v1(3615,1715)